# Altium PCB RFSOC_SAWG.PcbDoc (part 13 of 15) (continued)
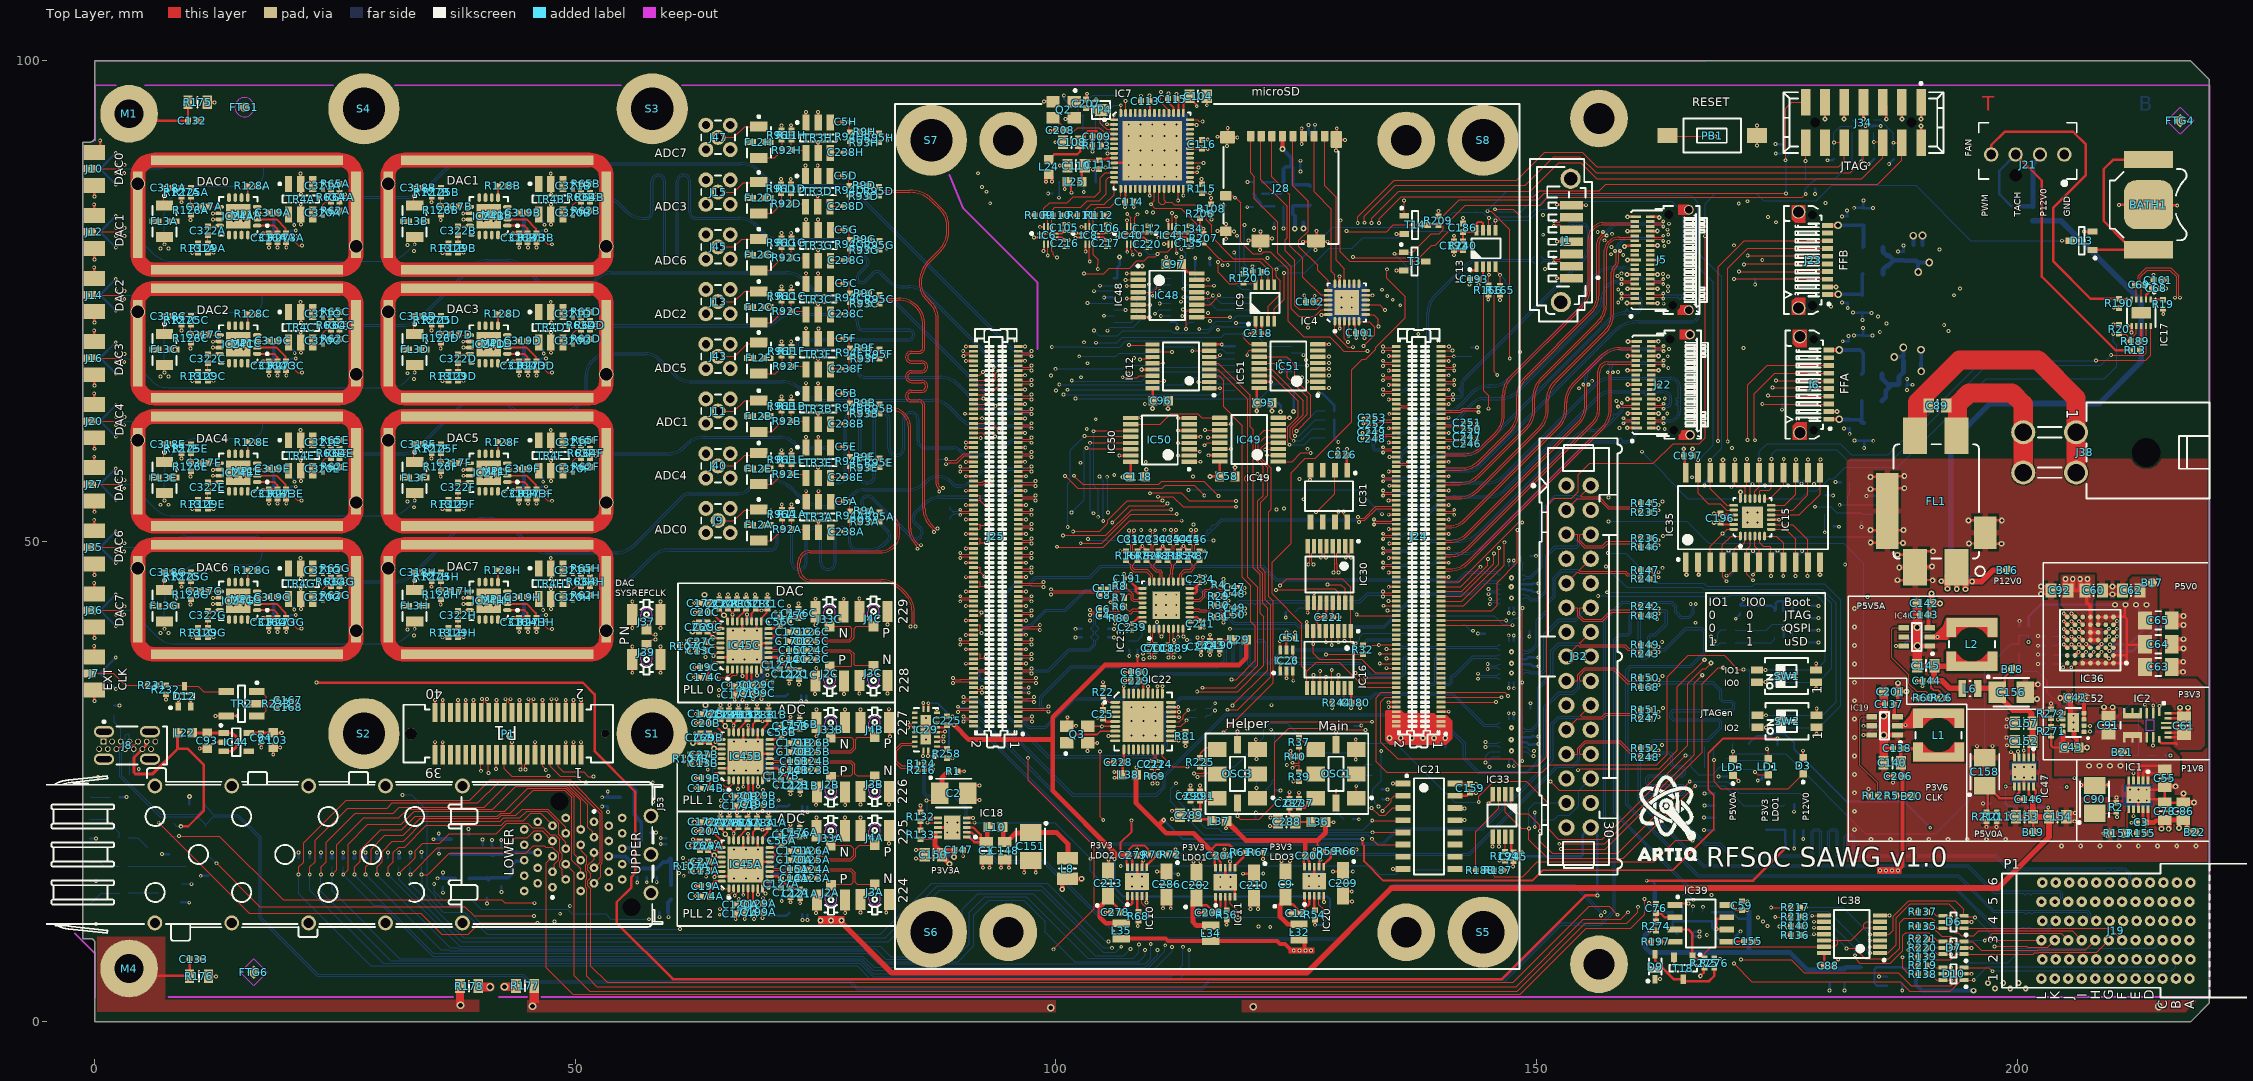
[diagram p0: Top Layer view]
## Nets (pads, with @x,y where several pads share a name; then routed paths per layer and width w, separated by ;. In a path a pad name is that pad's centre, name@x,y a point inside that pad or via, vN(x,y) a via of type N, cw(c..) or ccw(c..) an arc to the next point about the centre after c; other vN are vias at no path point) (continued)
RFPLL_REFin1_N: C27B.1 C32.2 R107B.2 | length 67.2
  Top Layer w0.093: v1(61.3,27.618) 61.354,27.618 61.508,27.464 61.664,27.464 61.719,27.519 61.719,27.581 61.962,27.824 R107B.2@61.982,27.824 62.002,27.824 62.246,27.581 62.246,27.521 62.3,27.467 62.589,27.467 62.643,27.521 62.643,27.556 C27B.1@62.907,27.819 ; v1(108.126,51.125) 108.126,51.071 107.972,50.917 107.972,50.783 108.027,50.729 108.046,50.729 108.2,50.575 C32.2@108.2,50.55
  Mid-Layer 6 w0.08: v1(61.3,27.618) 61.347,27.618 61.507,27.458 62.545,27.458 63.46,28.373 63.46,31.503 64.389,32.432 71.614,32.432 74.145,34.963 77.538,34.963 86.393,43.818 86.393,45.368 88.121,47.096 91.029,47.096 93.975,50.043 93.975,52.568 95.882,54.475 97.124,54.475 97.774,53.825 106.443,53.825 106.628,53.64 107.966,52.302 107.966,51.332 108.126,51.172 v1(108.126,51.125)
RFPLL_REFin1_P: C13B.1 C31.2 R107B.1 | length 67.2
  Top Layer w0.093: v1(61.3,27.091) 61.354,27.091 61.508,27.244 61.664,27.244 61.719,27.19 61.719,27.128 61.962,26.884 R107B.1@61.982,26.884 62.002,26.884 62.246,27.128 62.246,27.19 62.303,27.247 62.589,27.247 62.643,27.192 62.643,27.158 C13B.1@62.907,26.894 ; C31.2@107.525,50.55 107.525,50.575 107.678,50.729 107.698,50.729 107.752,50.783 107.752,50.917 107.599,51.071 v1(107.599,51.125)
  Mid-Layer 6 w0.08: v1(61.3,27.091) 61.347,27.091 61.507,27.251 62.631,27.251 63.667,28.287 63.667,31.417 64.475,32.225 71.7,32.225 74.231,34.756 77.623,34.756 86.6,43.732 86.6,45.282 88.207,46.889 91.114,46.889 94.182,49.957 94.182,52.482 95.968,54.268 97.039,54.268 97.689,53.618 106.357,53.618 106.482,53.493 106.51,53.465 106.708,53.267 106.708,53.168 106.701,53.161 106.701,53.062 106.8,52.963 106.899,52.963 106.906,52.97 107.005,52.97 107.104,52.871 107.104,52.772 107.097,52.765 107.097,52.666 107.196,52.567 107.295,52.567 107.302,52.574 107.401,52.574 107.547,52.428 107.575,52.4 107.759,52.216 107.759,51.332 107.599,51.172 v1(107.599,51.125)
RFPLL_REFin2_N: C11.2 C27A.1 R107A.2 | length 67.2
  Top Layer w0.093: v1(61.5,16.463) 61.864,16.463 R107A.2@62.071,16.669 62.091,16.669 62.334,16.426 62.334,16.371 62.389,16.316 62.682,16.316 62.736,16.371 62.736,16.405 C27A.1@63,16.669 ; v1(99.504,45.007) 99.558,45.007 99.712,44.854 104.323,44.854 104.579,45.11 C11.2@104.604,45.11
  Mid-Layer 6 w0.08: v1(61.5,16.463) 61.547,16.463 61.707,16.303 62.703,16.303 63.325,16.925 63.325,19.893 64.439,21.007 70.557,21.007 71.175,21.625 72.075,21.625 73.925,23.475 80.9,23.475 85.104,27.679 85.104,36.171 87.089,38.157 91.732,38.157 92.661,39.086 92.661,43.278 95.314,45.932 96.718,45.932 97.803,44.847 99.297,44.847 99.457,45.007 v1(99.504,45.007)
RFPLL_REFin2_P: C8.2 C13A.1 R107A.1 | length 67.2
  Top Layer w0.093: v1(61.5,15.936) 61.864,15.936 R107A.1@62.071,15.729 62.091,15.729 62.334,15.973 62.334,16.035 62.396,16.096 62.682,16.096 62.736,16.042 62.736,16.007 C13A.1@63,15.744 ; v1(99.504,44.48) 99.558,44.48 99.712,44.634 104.355,44.634 104.579,44.41 C8.2@104.604,44.41
  Mid-Layer 6 w0.08: v1(61.5,15.936) 61.547,15.936 61.707,16.096 62.789,16.096 63.532,16.839 63.532,19.807 64.525,20.8 70.643,20.8 71.261,21.418 72.161,21.418 74.011,23.268 80.986,23.268 85.311,27.593 85.311,36.086 87.175,37.95 91.818,37.95 92.868,39 92.868,43.193 95.4,45.725 96.632,45.725 97.717,44.64 99.297,44.64 99.457,44.48 v1(99.504,44.48)
RFPLL_SCKI: IC45A.1 IC45B.1 IC45C.1 J25.132 | length 157.4
  Top Layer w0.127: v1(65.1,36.8) 65.174,36.8 65.306,36.668 IC45C.1@65.847,36.668 ; v1(65.23,25.268) 65.304,25.268 65.436,25.136 IC45B.1@65.977,25.136 ; v1(65.303,13.851) 65.932,13.851 IC45A.1@65.975,13.894 IC45A.1@65.975,13.894 ; v1(90.55,63.275) v1(90.55,63.275) 91.414,63.274 J25.132@91.415,63.272 ; v1(101.875,56.825) 102.782,55.918 110.694,55.918 111.026,56.25 115.39,56.25 v1(116.913,54.727)
  Mid-Layer 3 w0.127: v1(65.1,36.8) 64.5,36.8 64.05,36.35 64.05,31.06 65.23,29.88 v1(65.23,25.268) 65.178,25.216 64.591,25.216 63.725,24.35 63.725,20.241 65.303,18.663 v1(65.303,13.851) 65.283,13.83 65.283,13.142 66.375,12.05 72.54,12.05 73.509,13.019 80.894,13.019 83.75,15.875 89.2,15.875 89.9,16.575 99.2,16.575 104.15,21.525 115.55,21.525 116.45,22.425 116.45,29.825 117.4,30.775 117.4,32.825 120.5,35.925 120.5,51.14 v1(116.913,54.727) ; v1(90.55,63.275) 94.833,63.275 97.235,65.676 v1(99.999,65.676) v1@100,65.675
  Mid-Layer 6 w0.127: v1(99.999,65.676) 99.999,64.951 101.875,63.075 v1(101.875,56.825)
RFPLL_SDI: IC45A.2 IC45B.2 IC45C.2 J25.134 | length 156.4
  Top Layer w0.127: v1(64.661,35.818) 65.593,35.818 65.825,36.05 66.004,36.05 66.347,36.393 IC45C.2@66.347,36.668 ; v1(64.905,24.693) 64.916,24.683 65.372,24.683 65.607,24.448 66.063,24.448 66.477,24.861 IC45B.2@66.477,25.136 ; v1(65.925,13.1) 65.941,13.1 66.477,13.636 IC45A.2@66.475,13.894 ; J25.134@91.415,63.772 93.397,63.772 v1(93.725,64.1) ; v1(100.95,56.8) 102.25,55.5 111.075,55.5 111.391,55.815 114.411,55.815 115.44,54.786 v1(115.44,54.757)
  Mid-Layer 3 w0.127: v1@64.657,35.814 64.657,35.207 64.554,35.104 64.554,34.654 64.35,34.45 64.35,31.325 65.102,30.573 65.102,30.571 65.39,30.284 65.391,30.284 65.706,29.969 65.706,25.181 65.675,25.15 65.675,25.144 65.224,24.693 v1(64.905,24.693) 64.175,23.963 64.175,20.15 65.925,18.4 v1(65.925,13.1) 65.954,13.071 65.954,12.83 66.359,12.425 69.62,12.425 69.903,12.708 69.903,12.828 70.419,13.344 80.028,13.344 84.084,17.4 87.15,17.4 87.65,17.9 99.325,17.9 103.725,22.3 111.875,22.3 112.1,22.525 115.475,22.525 115.95,23 115.95,33.775 116.825,34.65 118,34.65 118.75,35.4 118.75,51.447 v1(115.44,54.757) ; v1(93.725,64.1) 96.509,66.884 96.996,66.884 97.362,67.25 v1(99.5,67.25)
  Mid-Layer 6 w0.127: v1(99.5,67.25) 99.5,64.625 100.95,63.175 v1(100.95,56.8)
RFPLLCLKAA_N: C124A.2 J3A.1 | length 7.6
  Top Layer w0.093: C124A.2@75.1,15.869 C124A.2@75.112,15.856 ; C124A.2@75.125,15.869 75.389,15.605 75.389,15.571 75.453,15.507 75.611,15.507 75.614,15.504 75.81,15.504 76.25,15.944 78.7,15.944 79.145,15.499 79.145,14.549 79.35,14.344 81.125,14.344 J3A.1@81.15,14.319
RFPLLCLKAA_P: C123A.2 J2A.1 | length 7.6
  Top Layer w0.093: C123A.2@75.1,14.919 C123A.2@75.125,14.944 75.389,15.207 75.389,15.232 75.443,15.287 75.52,15.287 75.523,15.284 75.901,15.284 76.341,15.724 78.609,15.724 78.925,15.408 78.925,14.55 78.719,14.344 J2A.1@76.575,14.344
RFPLLCLKAB_N: C124B.2 J3B.1 | length 7.6
  Top Layer w0.093: C124B.2@75.1,27.11 C124B.2@75.112,27.097 ; C124B.2@75.125,27.11 75.389,26.846 75.389,26.812 75.453,26.748 75.611,26.748 75.614,26.745 75.81,26.745 76.25,27.185 78.7,27.185 79.095,26.79 79.095,25.84 79.35,25.585 81.125,25.585 J3B.1@81.15,25.56
RFPLLCLKAB_P: C123B.2 J2B.1 | length 7.5
  Top Layer w0.093: C123B.2@75.1,26.16 C123B.2@75.125,26.185 75.389,26.448 75.389,26.473 75.443,26.528 75.52,26.528 75.523,26.525 75.901,26.525 76.341,26.965 78.609,26.965 78.875,26.698 78.875,25.82 78.64,25.585 J2B.1@76.575,25.585
RFPLLCLKAC_N: C124C.2 J3C.1 | length 7.7
  Top Layer w0.093: C124C.2@74.972,38.643 C124C.2@74.984,38.63 ; C124C.2@74.997,38.643 75.26,38.379 75.26,38.345 75.324,38.281 75.483,38.281 75.486,38.278 75.682,38.278 76.122,38.718 78.572,38.718 78.995,38.295 78.995,37.147 79.049,37.093 J3C.1@81.022,37.093
RFPLLCLKAC_P: C123C.2 J2C.1 | length 7.8
  Top Layer w0.093: C123C.2@74.972,37.693 C123C.2@74.997,37.718 75.26,37.981 75.26,38.006 75.315,38.061 75.392,38.061 75.395,38.058 75.773,38.058 76.213,38.498 78.481,38.498 78.775,38.203 78.775,37.048 78.721,36.993 J2C.1@76.472,36.993
RFPLLCLKBA_N: C126A.2 J33A.1 | length 7.5
  Top Layer w0.093: C126A.2@75.1,17.794 C126A.2@75.112,17.781 ; C126A.2@75.125,17.794 75.389,17.53 75.389,17.483 75.443,17.429 75.901,17.429 76.341,16.989 78.609,16.989 78.956,17.336 78.956,17.994 78.581,18.369 J33A.1@76.575,18.369
RFPLLCLKBA_P: C125A.2 J4A.1 | length 7.5
  Top Layer w0.093: C125A.2@75.1,16.844 C125A.2@75.112,16.856 ; C125A.2@75.125,16.844 75.389,17.107 75.389,17.154 75.443,17.209 75.81,17.209 76.25,16.769 78.7,16.769 79.176,17.245 79.176,18.001 79.544,18.369 81.125,18.369 J4A.1@81.15,18.394
RFPLLCLKBB_N: C126B.2 J33B.1 | length 7.6
  Top Layer w0.093: C126B.2@75.1,29.035 C126B.2@75.112,29.022 ; C126B.2@75.125,29.035 75.389,28.771 75.389,28.724 75.443,28.67 75.901,28.67 76.341,28.23 78.609,28.23 78.95,28.571 78.95,29.35 78.69,29.61 J33B.1@76.575,29.61
RFPLLCLKBB_P: C125B.2 J4B.1 | length 7.6
  Top Layer w0.093: C125B.2@75.1,28.085 C125B.2@75.112,28.097 ; C125B.2@75.125,28.085 75.389,28.348 75.389,28.395 75.443,28.45 75.81,28.45 76.25,28.01 78.7,28.01 79.17,28.48 79.17,29.43 79.35,29.61 81.125,29.61 J4B.1@81.15,29.635
RFPLLCLKBC_N: C126C.2 J33C.1 | length 7.6
  Top Layer w0.093: C126C.2@74.972,40.568 C126C.2@74.984,40.556 ; C126C.2@74.997,40.568 75.26,40.305 75.26,40.257 75.315,40.203 75.773,40.203 76.213,39.763 78.481,39.763 78.775,40.058 78.775,40.925 78.557,41.143 J33C.1@76.447,41.143
RFPLLCLKBC_P: C125C.2 J4C.1 | length 7.6
  Top Layer w0.093: C125C.2@74.972,39.618 C125C.2@74.984,39.63 ; C125C.2@74.997,39.618 75.26,39.881 75.26,39.929 75.315,39.983 75.682,39.983 76.122,39.543 78.572,39.543 78.995,39.966 78.995,40.916 79.222,41.143 80.997,41.143 J4C.1@81.022,41.168
RFSW_CTRL0: IC24A.2 IC43.15 R273A.2 | length 144.2
  Top Layer w0.127: R273A.2@19.9,82.07 19.92,82.07 20.147,81.843 20.147,81.823 21.203,80.767 v1(21.543,80.767)
  Top Layer w0.2: IC24A.2@16.889,83.493 18.907,83.493 19.857,82.543 19.857,82.113 R273A.2@19.9,82.07
  Mid-Layer 3 w0.127: v1(21.543,80.767) 22.75,81.974 22.75,86.975 26.675,90.9 57.85,90.9 64,97.05 89.55,97.05 91.625,94.975 91.625,89.725 92.8,88.55 92.8,86.4 v1(92.775,86.375)
  Mid-Layer 6 w0.127: v1(92.775,86.375) 92.775,83.825 102.04,74.56 102.04,64.856 v1(102.035,64.85)
  Bottom Layer w0.127: v1(102.035,64.85) 121.202,64.85 122.73,66.378 124.497,66.378 IC43.15@124.5,66.375
RFSW_CTRL1: IC24B.2 IC43.1 R273B.2 | length 111.3
  Top Layer w0.127: R273B.2@45.976,82.049 47.116,80.909 v1(47.556,80.909)
  Top Layer w0.2: IC24B.2@42.924,83.493 44.942,83.493 45.892,82.543 45.892,82.113 R273B.2@45.935,82.07
  Mid-Layer 6 w0.127: v1(47.556,80.909) 49.3,82.652 49.3,87.125 50.725,88.55 56.175,88.55 60.625,93 60.625,93.675 64.11,97.16 88.04,97.16 91.4,93.8 91.4,83.375 100.745,74.03 100.745,65.305 v1(100.775,65.275)
  Bottom Layer w0.127: v1(100.775,65.275) 100.784,65.266 116.97,65.266 117.429,65.725 IC43.1@118.6,65.725
RFSW_CTRL2: IC24C.2 IC43.2 R273C.2 | length 149.3
  Top Layer w0.127: R273C.2@19.963,68.692 21.103,67.552 v1(21.543,67.552)
  Top Layer w0.2: IC24C.2@16.889,70.158 18.907,70.158 19.857,69.208 19.857,68.778 R273C.2@19.9,68.735
  Mid-Layer 3 w0.127: v1(21.543,67.552) 23.2,69.209 23.2,86.625 27.15,90.575 58.15,90.575 64.225,96.65 89.275,96.65 91.2,94.725 91.2,89 v1(91.9,88.3)
  Mid-Layer 6 w0.127: v1(91.9,88.3) 91.9,87.027 91.889,87.016 91.889,83.436 101.225,74.1 v1(101.225,65.775)
  Bottom Layer w0.127: v1(101.225,65.775) 115.589,65.775 116.189,66.375 IC43.2@118.6,66.375
RFSW_CTRL3: IC24D.2 IC43.3 R273D.2 | length 122.6
  Top Layer w0.127: R273D.2@45.998,68.692 47.138,67.552 v1(47.578,67.552)
  Top Layer w0.2: IC24D.2@42.924,70.158 44.942,70.158 45.892,69.208 45.892,68.778 R273D.2@45.935,68.735
  Mid-Layer 6 w0.127: v1(47.578,67.552) 49.925,69.899 49.925,86.875 51.237,88.187 54.362,88.187 54.375,88.2 56.7,88.2 61.2,92.7 61.2,93.625 64.25,96.675 87.475,96.675 90.95,93.2 90.95,83.3 100.365,73.885 100.365,66.34 v1(100.355,66.33)
  Bottom Layer w0.127: v1(100.355,66.33) 100.394,66.29 113.216,66.29 113.95,67.025 117.51,67.025 IC43.3@118.6,67.025
RFSW_CTRL4: IC24E.2 IC43.4 R273E.2 | length 160.6
  Top Layer w0.127: R273E.2@19.92,55.4 21.06,54.26 v1(21.5,54.26)
  Top Layer w0.2: IC24E.2@16.889,56.823 18.907,56.823 19.857,55.873 19.857,55.443 R273E.2@19.9,55.4
  Mid-Layer 3 w0.127: v1(21.5,54.26) 23.872,56.632 23.872,86.497 27.525,90.15 58.675,90.15 61.625,93.1 61.625,93.375 64.425,96.175 89.122,96.175 90.775,94.522 90.775,88.4 v1(92.3,86.875)
  Mid-Layer 6 w0.127: v1(92.3,86.875) 92.3,83.625 101.65,74.275 v1(101.65,66.725)
  Bottom Layer w0.127: v1(101.65,66.725) 101.694,66.681 108.956,66.681 109.9,67.625 118.55,67.625 IC43.4@118.6,67.675
RFSW_CTRL5: IC24F.2 IC43.5 R273F.2 | length 133.4
  Top Layer w0.127: R273F.2@45.998,55.357 47.138,54.217 v1(47.578,54.217)
  Top Layer w0.2: IC24F.2@42.924,56.823 44.942,56.823 45.892,55.873 45.892,55.443 R273F.2@45.935,55.4
  Mid-Layer 6 w0.127: v1(47.578,54.217) 50.397,57.036 50.397,86.649 51.672,87.924 57.174,87.924 61.775,92.525 61.775,93.525 64.45,96.2 87.275,96.2 90.5,92.975 90.5,83.175 99.965,73.71 99.965,67.96 v1(99.975,67.95)
  Bottom Layer w0.127: v1(99.975,67.95) 106.975,67.95 107.34,68.315 110.134,68.315 110.315,68.135 116.485,68.135 116.675,68.325 IC43.5@118.6,68.325
RFSW_CTRL6: IC24G.2 IC43.6 R273G.2 | length 170
  Top Layer w0.127: R273G.2@19.9,42.065 19.92,42.065 21.06,40.925 v1(21.5,40.925)
  Top Layer w0.2: IC24G.2@16.889,43.488 18.907,43.488 19.857,42.538 19.857,42.108 R273G.2@19.9,42.065
  Mid-Layer 3 w0.127: v1(21.5,40.925) 24.425,43.85 24.425,85.65 28.325,89.55 58.9,89.55 62.2,92.85 62.2,93.425 64.525,95.75 88.8,95.75 90.325,94.225 90.325,88.025 93.166,85.185 v1(93.166,85.175)
  Mid-Layer 6 w0.127: v1(93.166,85.175) 93.166,83.909 102.431,74.644 v1(102.431,69.25)
  Bottom Layer w0.127: v1(102.431,69.25) 106.248,69.25 106.573,69.575 110.63,69.575 111.296,70.242 114.309,70.242 114.985,69.565 115.214,69.337 115.575,68.975 IC43.6@118.6,68.975
RFSW_CTRL7: IC24H.2 IC43.7 R273H.2 | length 144.4
  Top Layer w0.127: R273H.2@45.998,42.022 47.138,40.882 v1(47.578,40.882)
  Top Layer w0.2: IC24H.2@42.924,43.488 44.942,43.488 45.892,42.538 45.892,42.108 R273H.2@45.935,42.065
  Mid-Layer 6 w0.127: v1(47.578,40.882) 50.853,44.158 50.853,86.746 51.557,87.45 57.55,87.45 62.125,92.025 62.125,93.225 64.65,95.75 87.175,95.75 90.025,92.9 90.025,83.15 99.575,73.6 v1(99.575,70.225)
  Bottom Layer w0.127: v1(99.575,70.225) 103.171,70.225 103.18,70.215 106.64,70.215 107.29,70.865 114.983,70.865 115.866,69.982 117.295,69.982 117.652,69.625 IC43.7@118.6,69.625
RST: IC38.5 IC38.6 IC38.12 IC38.13 IC39.3 R275.2 T18.1 | length 29.4
  Top Layer w0.127: R275.2@167.475,6.595 167.475,7.1 168.2,7.825 181.05,7.825 181.337,8.112 181.337,8.475 ; IC38.12@179.925,8.475 181.337,8.475 ; IC38.5@185.725,9.775 184.05,9.775 ; IC38.6@185.725,10.425 184.3,10.425 184.05,10.175 184.05,9.775 ; 181.337,8.475 182.75,8.475 184.05,9.775
  Top Layer w0.254: IC39.3@164.4,9.615 165.81,9.615 166.225,9.2 T18.1@166.225,6.725 166.355,6.595 R275.2@167.475,6.595
RST_N: IC36.B4 R187.1 R188.2 R276.2 | length 107.4
  Top Layer w0.127: R188.2@144.62,15.775 R187.1@145.555,15.775 145.555,15.199 145.629,15.125 148.55,15.125 150.075,16.65 162.25,16.65 164.475,18.875 v1(166.25,18.875) ; R276.2@168.5,6.595 168.526,6.569 v1(169.094,6.569)
  Top Layer w0.254: IC36.B4@207.637,38.129 207.987,38.479 v1(207.987,38.504)
  Mid-Layer 3 w0.127: v1(166.55,41.525) 166.579,41.554 174.254,41.554 176.925,44.225 v1(184.45,44.225) ; v1(167.725,9.025) 168.776,7.974 169.094,7.656 v1(169.094,6.569)
  Mid-Layer 6 w0.127: v1(166.55,41.525) 166.55,32.775 167.034,32.291 167.034,19.659 v1(166.25,18.875) 166.25,14.5 167.725,13.025 v1(167.725,9.025) ; v1(184.45,44.225) 190.761,44.225 190.904,44.082 199.168,44.082 203.487,39.763 203.487,38.854 204.227,38.113 207.596,38.113 v1(207.987,38.504)
SATA_RX_N: C38.1 J1.5 | length 3
  Top Layer w0.093: v1(151.8,82.806) 151.854,82.806 152.008,82.96 152.442,82.96 152.496,82.906 152.496,82.839 152.9,82.435 J1.5@153.65,82.435
  Bottom Layer w0.093: v1(151.8,82.806) 151.854,82.806 152.008,82.96 152.266,82.96 152.32,82.906 152.32,82.877 152.474,82.724 C38.1@152.499,82.724
SATA_RX_P: C52.1 J1.6 | length 3.1
  Top Layer w0.093: v1(151.8,83.333) 151.854,83.333 152.008,83.18 152.442,83.18 152.496,83.234 152.496,83.301 152.9,83.705 J1.6@153.65,83.705
  Bottom Layer w0.093: v1(151.8,83.333) 151.854,83.333 152.008,83.18 152.263,83.18 152.32,83.238 152.32,83.269 152.474,83.423 C52.1@152.499,83.423
SATA_TX_N: C57.1 J1.2 | length 3.7
  Top Layer w0.093: v1(151.8,78.996) 151.854,78.996 152.008,79.15 152.442,79.15 152.496,79.096 152.496,79.029 152.9,78.625 J1.2@153.65,78.625
  Bottom Layer w0.093: C57.1@150.5,78.918 150.525,78.918 150.678,79.071 150.678,79.1 150.733,79.155 151.402,79.155 151.407,79.15 151.592,79.15 151.746,78.996 v1(151.8,78.996)
SATA_TX_P: C54.1 J1.3 | length 3.7
  Top Layer w0.093: v1(151.8,79.523) 151.854,79.523 152.008,79.37 152.442,79.37 152.496,79.424 152.496,79.491 152.9,79.895 J1.3@153.65,79.895
  Bottom Layer w0.093: C54.1@150.5,79.612 150.525,79.612 150.678,79.458 150.678,79.429 150.733,79.375 151.493,79.375 151.498,79.37 151.592,79.37 151.746,79.523 v1(151.8,79.523)
SD-CCLK_LS: IC4.19 J28.5 | length 18.4
  Top Layer w0.127: J28.5@124.669,92.169 124.669,86.981 126.252,85.398 126.252,82.282 125.275,81.305 125.275,80.675 127.225,78.725 127.225,78.2 128.325,77.1 IC4.19@128.325,76.1
SD-CMD_LS: IC4.20 J28.3 | length 19.4
  Top Layer w0.127: J28.3@122.469,92.169 122.469,87.931 124.358,86.042 124.358,80.75 125.675,79.432 125.675,77.5 127.542,75.633 128.292,75.633 IC4.20@128.325,75.6
SD-D0_LS: IC4.18 J28.7 | length 16.3
  Top Layer w0.127: J28.7@126.869,92.169 126.869,86.356 128.65,84.575 128.65,78.1 129.025,77.725 IC4.18@129.025,76.8
SD-D1_LS: IC4.16 J28.8 | length 16.2
  Top Layer w0.127: J28.8@127.969,92.169 127.969,87.006 129.175,85.8 129.175,79.237 130.025,78.387 IC4.16@130.025,76.8
SD-D2_LS: IC4.23 J28.1 | length 24.2
  Top Layer w0.127: J28.1@120.269,92.169 120.269,88.331 120.65,87.95 120.65,85.65 123.091,83.21 123.091,79.953 124.5,78.543 124.5,74.175 125.25,73.425 126.95,73.425 127.625,74.1 IC4.23@128.325,74.1
SD-D3_LS: IC4.22 J28.2 | length 23.1
  Top Layer w0.127: J28.2@121.369,92.169 121.3,92.1 121.3,87.625 124.065,84.86 124.065,81.564 123.875,81.373 123.875,80.225 124.85,79.25 124.85,74.575 125.3,74.125 127.15,74.125 127.625,74.6 IC4.22@128.325,74.6
SD_CD: J24.49 J28.9 R202.1 | length 77.5
  Top Layer w0.127: J28.9@117.684,85.944 117.693,85.953 118.447,85.953 v1(118.65,85.75) 118.712,85.75 119.225,85.237 119.225,81.15 120.465,79.909 121.412,79.909 121.652,80.15 122.325,80.15 124.175,78.3 124.175,72.9 125.8,71.275 128.5,71.275 129.375,70.4 129.975,69.8 v1(132.425,69.8) ; J24.49@140.085,42.772 140.111,42.799 145.374,42.799 145.9,43.325 145.9,45.706 148.028,47.834 148.028,51.172 v1(148.025,51.175)
  Mid-Layer 6 w0.127: v1(132.425,69.8) 132.456,69.769 132.456,66.131 129.8,63.475 129.8,59.45 130.946,58.304 135.446,58.304 136.95,56.8 139.75,56.8 140.175,57.225 143.775,57.225 148.025,52.975 v1(148.025,51.175)
  Bottom Layer w0.127: R202.1@117.7,85.895 117.758,85.953 118.447,85.953 v1(118.65,85.75)
SD_CLK: IC4.9 J24.61 | length 51.6
  Top Layer w0.127: IC4.9@132.225,74.6 133.698,74.6 v1(134.236,74.061) ; J24.61@140.085,45.772 140.099,45.786 141.961,45.786 148.15,51.975 v1(148.525,51.975)
  Mid-Layer 6 w0.127: v1(134.236,74.061) 134.236,71.511 132.925,70.2 132.925,66 130.375,63.45 130.375,60.15 131.657,58.868 134.212,58.868 134.509,59.166 136.909,59.166 138.35,57.725 144.675,57.725 148.525,53.875 v1(148.525,51.975)
SD_CMD: IC4.4 J24.59 | length 46.8
  Top Layer w0.127: v1(130.45,71.375) 130.492,71.417 130.492,72.867 IC4.4@130.525,72.9 ; J24.59@140.085,45.272 140.099,45.286 142.111,45.286 v1(144.175,47.35)
  Mid-Layer 6 w0.127: v1(130.45,71.375) 129.525,70.45 129.525,66.15 127.025,63.65 127.025,56.975 128.8,55.2 132,55.2 133.788,53.412 136.712,53.412 137.625,54.325 141.65,54.325 144.175,51.8 v1(144.175,47.35)
SD_DAT0: IC4.6 J24.51 | length 51.2
  Top Layer w0.127: IC4.6@131.525,72.9 131.6,72.825 132.625,72.825 133.175,72.275 133.175,71.498 132.754,71.077 v1(131.991,70.313) ; J24.51@140.085,43.272 140.111,43.299 142.449,43.299 146.675,47.525 v1(146.675,49.9)
  Mid-Layer 6 w0.127: v1(131.991,70.313) 131.991,66.191 128.925,63.125 128.925,58.925 129.8,58.05 135.1,58.05 136.9,56.25 143.625,56.25 146.675,53.2 v1(146.675,49.9)
SD_DAT1: IC4.7 J24.53 | length 51.4
  Top Layer w0.127: IC4.7@132.225,73.6 133.075,73.6 133.56,73.115 v1(133.56,72.339) ; J24.53@140.085,43.772 140.096,43.761 142.225,43.761 146.1,47.636 v1(146.1,49.3)
  Mid-Layer 6 w0.127: v1(133.56,72.339) 133.56,71.51 133.025,70.975 132.8,70.75 131.875,70.75 131.425,70.3 131.425,66.225 128.525,63.325 128.525,58.6 129.4,57.725 134.925,57.725 136.668,55.982 142.893,55.982 146.1,52.775 v1(146.1,49.3)
SD_DAT2: IC4.1 J24.55 | length 48.6
  Top Layer w0.127: IC4.1@129.025,72.9 129.037,72.887 129.037,71.535 130.373,70.2 v1(130.925,70.2) ; J24.55@140.085,44.272 140.099,44.286 142.186,44.286 145.575,47.675 v1(145.575,48.725)
  Mid-Layer 6 w0.127: v1(130.925,70.2) 130.925,66.325 128.125,63.525 128.125,58.2 129.075,57.25 131.8,57.25 133.134,55.916 133.841,55.916 133.888,55.868 134.243,55.868 134.547,56.172 134.993,56.172 135.464,55.7 142.175,55.7 145.575,52.3 v1(145.575,48.725)
SD_DAT3: IC4.3 J24.57 | length 47.5
  Top Layer w0.127: IC4.3@130.025,72.9 130.025,71.1 v1(130.376,70.749) ; J24.57@140.085,44.772 140.099,44.786 142.236,44.786 144.95,47.5 v1(144.95,48.175)
  Mid-Layer 6 w0.127: v1(130.376,70.749) 130.376,66.351 127.525,63.5 127.525,57.85 128.777,56.598 131.527,56.598 134.272,53.853 136.153,53.853 137.072,54.772 142.203,54.772 144.95,52.025 v1(144.95,48.175)
SERVMOD_3V3: IC16.1 IC26.6 IC27.9 IC28.9 IC30.16 IC42.9 R138.1 T13.1 | length 170.4
  Top Layer w0.093: v1(123.3,39.6) 123.35,39.55 IC26.6@123.35,38.7
  Top Layer w0.127: v1(123.3,45.4) 124,46.1 129.817,46.1 130.675,45.242 130.675,39.449 130.749,39.375 v1(131.2,39.375) ; v1(148.525,27.15) 148.537,27.162 148.537,43.062 v1(148.55,43.075) ; v1(188.095,6.727) 188.095,5.63 188.75,4.975 R138.1@189.705,4.975
  Mid-Layer 3 w0.127: v1(148.55,43.075) 148.55,45.064 149.45,45.964 149.45,51.825 149.675,52.05 149.675,58.45 151.05,59.825 161.7,59.825 162.5,59.025 169.123,59.025 170.188,60.09 174.835,60.09 175.2,59.725 175.2,54.675 178.338,51.537 178.338,51.362 v1(182.125,47.575)
  Mid-Layer 6 w0.127: v1(123.3,39.6) v1(123.3,45.4) ; v1(182.125,47.575) 182.063,47.575 180.65,46.162 180.65,45.425 180.175,44.95 180.175,36.575 175.6,32 175.6,23.638 175.3,23.338 175.3,15.975 181.68,9.595 185.17,9.595 188.038,6.727 v1(188.095,6.727)
  Bottom Layer w0.127: v1(131.2,39.375) 131.614,39.789 131.614,40.064 131.975,40.425 136.527,40.425 138.377,42.275 T13.1@144.65,42.275 145.604,42.275 146.494,41.384 147.012,41.384 147.627,42 148.05,42 148.55,42.5 v1(148.55,43.075) 148.528,43.097 IC27.9@148.528,43.514 ; v1(148.525,27.15) 148.528,27.153 IC42.9@148.528,27.609 ; v1(148.525,35.325) 148.528,35.328 IC28.9@148.528,35.716
SFP0_LED: IC32.6 T11.1 | length 185.2
  Top Layer w0.127: v1(12.675,16.5) 17.175,12 38.5,12 39.475,11.025 v1(45.7,11.025) ; v1(109.775,55) 109.81,55.035 113.041,55.035 113.875,54.2 v1(118.725,54.2)
  Mid-Layer 3 w0.127: v1(45.7,11.025) 47.125,11.025 48.54,12.44 51.66,12.44 55.85,8.25 81.975,8.25 86.392,12.667 102.417,12.667 107.083,17.333 116.308,17.333 117.8,18.825 118.35,18.825 120.664,21.139 120.691,21.139 122.815,23.263 122.815,37.232 122.159,37.888 122.159,51.338 119.297,54.2 v1(118.725,54.2)
  Mid-Layer 6 w0.127: v1(109.775,55) 109.775,57.226 109.852,57.303 109.852,62.798 109.61,63.04 109.61,64.007 109.825,64.223 109.825,72.8 110.311,73.286 110.311,73.666 v1(110.321,73.677)
  Bottom Layer w0.127: T11.1@11.825,17.125 12.025,17.125 12.65,16.5 v1(12.675,16.5) ; v1(110.321,73.677) 110.746,74.102 IC32.6@111.925,74.102
SFP0_LOS: IC50.3 J53.T8 R284.1 | length 203.9
  Top Layer w0.08: v1(27.018,15.325) 27.038,15.345 27.038,16.13 27.607,16.698 27.607,17.85 29.757,20 31.925,20 33.325,21.4 41.9,21.4 42.228,21.728 43.253,21.728 45.646,24.121 48.901,24.121 49.625,23.397 49.625,16.839 50.552,15.912 J53.T8@50.552,15.22
  Top Layer w0.127: IC50.3@113.875,59.577 114.037,59.415 114.803,59.415 114.901,59.317 v1(114.975,59.317)
  Mid-Layer 6 w0.127: v1(103.325,50.225) 103.325,43.198 103.157,43.03 103.157,39.268 106.438,35.987 107.266,35.987 107.65,35.603 107.65,34.475 108.875,33.25 112.783,33.25 113.385,32.648 113.385,32.288 113.992,31.681 113.992,30.883 117.412,27.463 117.412,20.937 116.7,20.225 116.7,19.25 116.225,18.775 116.225,14.95 109.85,8.575 109.85,8.127 v1(109.87,8.107) ; v1(114.975,59.317) 115.027,59.265 115.289,59.265 115.442,59.112 115.442,58.158 116.475,57.125 116.475,50.7 116.415,50.64 v1(116.415,50.091)
  Bottom Layer w0.127: R284.1@27.018,16.13 v1(27.018,15.325) 35.218,7.125 80.35,7.125 81.45,6.025 109.275,6.025 109.87,6.62 v1(109.87,8.107) ; v1(103.325,50.225) 103.399,50.225 103.533,50.091 v1(116.415,50.091)
SFP0_MOD_PRESENT: IC50.13 J53.T6 R285.1 | length 196.6
  Top Layer w0.08: v1(25.855,15.325) 26.35,15.82 26.35,18.5 28.425,20.575 31.875,20.575 33.235,21.935 42.66,21.935 45.053,24.328 48.987,24.328 49.91,23.404 49.91,17.462 J53.T6@50.552,16.82
  Top Layer w0.127: v1(103.55,60.25) 103.562,60.238 107.763,60.238 IC50.13@107.775,60.227
  Mid-Layer 6 w0.127: v1(103.9,52.925) 103.9,52.851 104.004,52.747 104.004,38.946 106.15,36.8 107.3,36.8 107.904,36.196 107.904,34.58 108.98,33.504 113.273,33.504 115.196,31.581 115.196,30.038 117.666,27.568 117.666,20.769 118.201,20.233 118.201,19.849 116.479,18.126 116.479,14.679 110.575,8.775 v1(110.575,7.483)
  Bottom Layer w0.127: R285.1@25.855,16.13 v1(25.855,15.325) 29.03,12.15 29.834,12.15 35.138,6.846 79.907,6.846 81.078,5.675 109.284,5.675 110.575,6.966 v1(110.575,7.483) ; v1(103.55,60.25) 103.59,60.21 103.59,53.235 v1(103.9,52.925)
SFP0_RATE_SELECT: IC32.2 J53.T7 R288.2 | length 227.6
  Top Layer w0.093: v1(22.364,15.325) 22.384,15.345 22.384,16.13 22.925,16.671 22.925,18.875 26.3,22.25 30.45,22.25 30.975,22.775 39.868,22.775 42.048,24.955 49.295,24.955 52.591,21.659 52.591,17.351 52.58,17.341 52.58,16.625 51.975,16.02 J53.T7@51.942,16.02
  Mid-Layer 6 w0.127: v1(105.336,56.714) 105.35,56.727 105.35,71.904 v1(105.363,71.918) ; v1(105.425,53) 105.425,47.85 106.525,46.75 106.525,42.095 106.894,41.725 106.894,38.244 107.443,37.696 107.532,37.696 108.666,36.562 108.666,35.269 109.585,34.35 110.225,34.35 110.309,34.266 113.63,34.266 116.524,31.372 116.524,30.139 118.666,27.998 118.666,26.109 119.946,24.829 119.946,14.533 v1(113.224,7.811)
  Bottom Layer w0.127: R288.2@22.364,16.13 v1(22.364,15.325) 22.364,13.711 29.991,6.084 79.591,6.084 80.975,4.7 112,4.7 113.224,5.924 v1(113.224,7.811) ; v1(105.336,56.714) 105.336,56.323 105.4,56.26 105.4,53.025 v1(105.425,53) ; v1(105.363,71.918) 105.363,71.94 105.673,72.25 108.025,72.25 108.975,73.2 108.975,75.077 110.358,76.46 110.736,76.46 110.978,76.702 IC32.2@111.925,76.702